# Altium PCB Hrafn.PcbDoc (part 2 of 5) (continued)
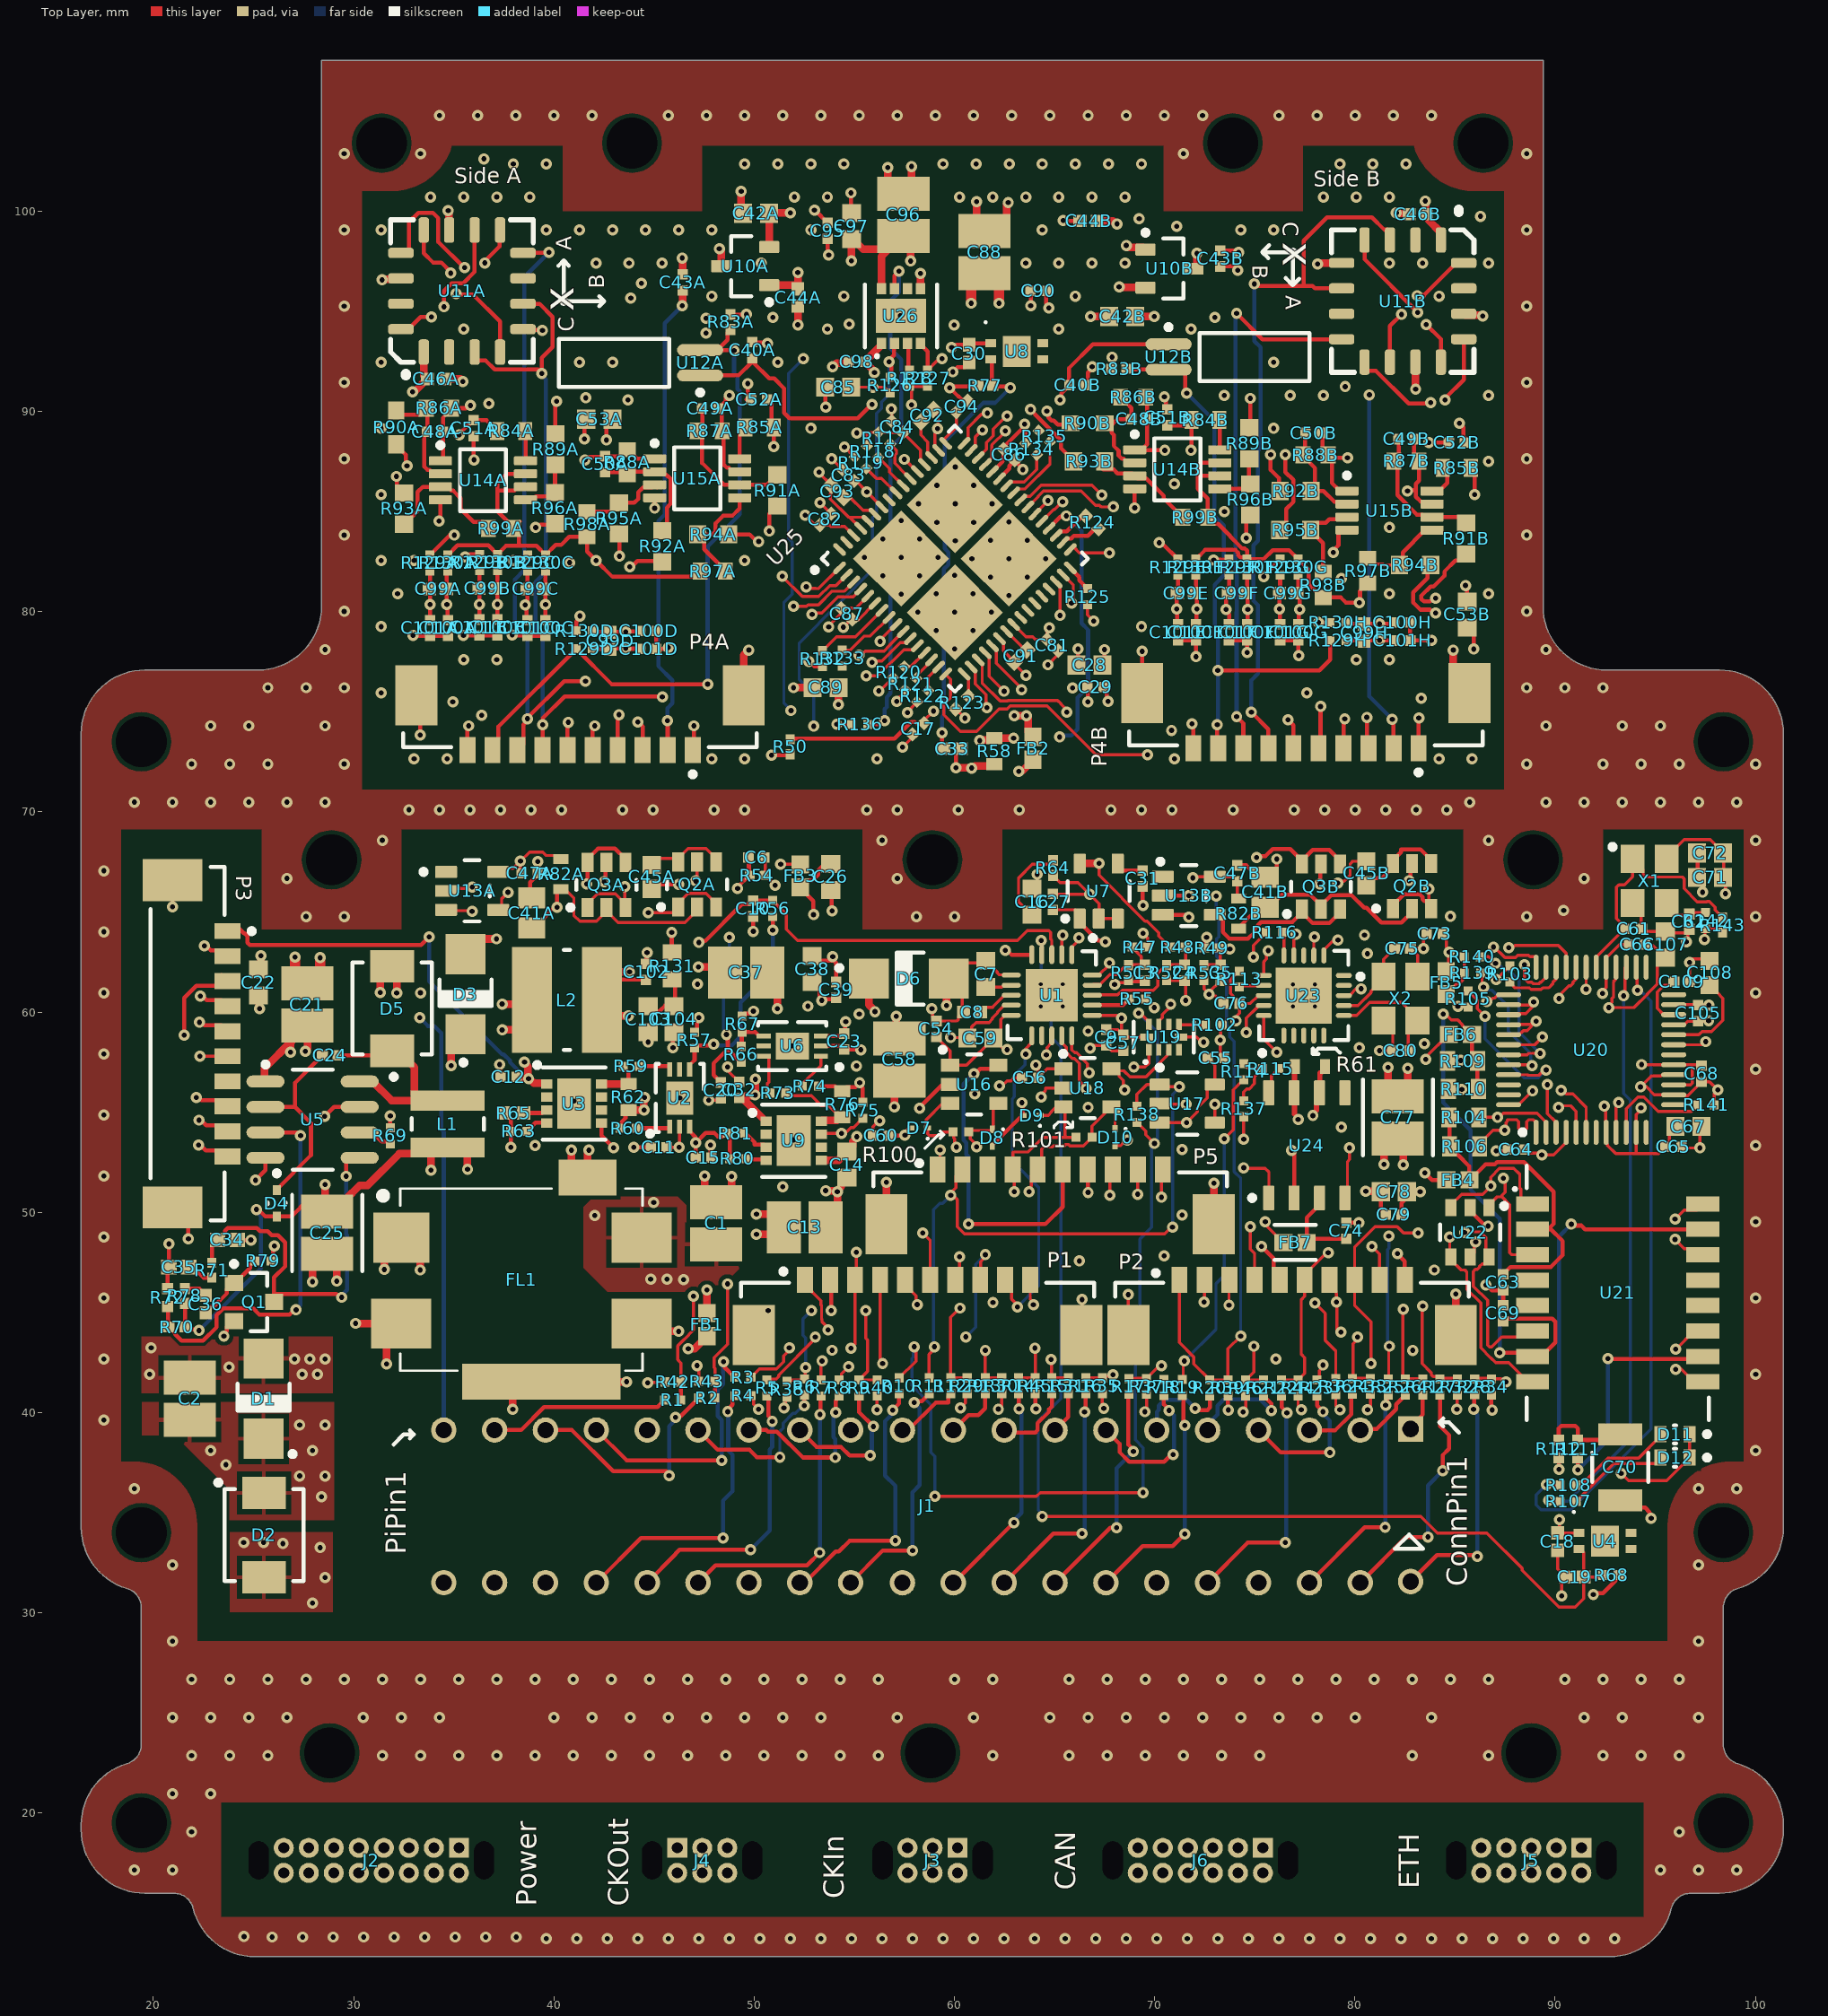
[diagram p0: Top Layer view]
## Part data (continued)
J4: "Gecko DIL Female Vertical 3mm PC Tail Connector, gold, pick & place (cut tape packing), 3+3 contacts", Current Rating=2A, Flammability Rating="UL94 V-0", Insulation Resistance=10GR, Manufacturer 1=Harwin, Manufacturer Part Number 1=G125-FV10605L0P, Max Operating Temperature=150°C, Min Operating Temperature=-65°C, Package Quantity=1, Supplier Part Number 1=952-2541-ND, Voltage Rating=450V, Category="Headers and Wire Housings", ComponentLink1Description=http://www.farnell.com/datasheets/1805453.pdf?src-supplier=Farnell, ComponentLink1URL=http://www.farnell.com/datasheets/1805453.pdf?src-supplier=Farnell, ComponentLink2Description=http://www.mouser.com/ds/2/181/C125XX_G125_Gecko_Connectors-1131202.pdf?src-supplier=Mouser, ComponentLink2URL=http://www.mouser.com/ds/2/181/C125XX_G125_Gecko_Connectors-1131202.pdf?src-supplier=Mouser, ComponentLink3Description=https://cdn.harwin.com/pdfs/G125-FVXXX05L0P.pdf?src-supplier=Digi-Key, ComponentLink3URL=https://cdn.harwin.com/pdfs/G125-FVXXX05L0P.pdf?src-supplier=Digi-Key, Connector Type=Receptacle,Socket, Contact Gender=Female, Contact Material="Copper Alloy", Contact Plating=Gold, Contact Post Length=3mm, Housing Material=Polyamide, Mount="Through Hole", Number of Positions=6, Number of Rows=2, Packaging=Bulk, Pitch=0.049inch, Pricing 1="1=6.94000, 10=6.64700, 100=5.49100, 500=4.62400, 1000=4.04600, 5000=3.75700 (USD)", RoHS=Yes, Row Spacing=0.049inch, Stock 1=4137, Supplier 1=Digi-Key, Termination=Solder, Weight=0.006843oz
J5: "Headers & Wire Housings 1.25MM M VERT 3.0MM 2x5 POS", Color=Green, Current Rating=2A, Flammability Rating="UL94 V-0", Insulation Resistance=10GR, Manufacturer 1=Harwin, Manufacturer Part Number 1=G125-MV11005L1P, Max Operating Temperature=150°C, Min Operating Temperature=-65°C, Package Quantity=1, Supplier Part Number 1=952-2809-ND, Voltage Rating=450V, Category="Headers and Wire Housings", ComponentLink1Description=http://www.mouser.com/ds/2/181/C125XX_G125_Gecko_Connectors-1131202.pdf?src-supplier=Mouser, ComponentLink1URL=http://www.mouser.com/ds/2/181/C125XX_G125_Gecko_Connectors-1131202.pdf?src-supplier=Mouser, ComponentLink2Description=https://cdn.harwin.com/pdfs/G125-MVXXX05LXP.pdf?src-supplier=Digi-Key, ComponentLink2URL=https://cdn.harwin.com/pdfs/G125-MVXXX05LXP.pdf?src-supplier=Digi-Key, Connector Type="Pin,Male Pin", Contact Material=Bronze, Contact Plating=Gold, Fastening Type=Latch, Housing Material=Polyamide, Mount="Through Hole", Number of Positions=10, Number of Rows=2, Packaging="Cut Strip", Pitch=0.049inch, Pricing 1="1=4.73000, 10=4.53800, 100=3.78200, 500=3.21470, 1000=2.74195, 5000=2.45830 (USD)", RoHS=Yes, Row Spacing=0.049inch, Stock 1=486, Supplier 1=Digi-Key, Termination=Solder, Weight=0.010864oz
L1: "Power Inductor, Aec-Q200, 2.2Uh, 5.2A Rohs Compliant: Yes", Case/Package=Nonstandard, Current Rating=5.2A, DC Resistance (DCR)=26mR, Inductance=2.2uH, Manufacturer 1="Wurth Electronics", Manufacturer Part Number 1=78438357022, Max Operating Temperature=125°C, Min Operating Temperature=-40°C, Ratings=AEC-Q200, Resistor Type=Wirewound, Saturation Current=7A, Self Resonant Frequency=35MHz, Supplier Part Number 1=732-11741-1-ND, Test Frequency=100kHz, Tolerance=20%, Category="Fixed Inductors", ComponentLink1Description=https://katalog.we-online.de/pbs/datasheet/78438357022.pdf?src-supplier=Digi-Key, ComponentLink1URL=https://katalog.we-online.de/pbs/datasheet/78438357022.pdf?src-supplier=Digi-Key, Core Material=Ferrite, Mount="Surface Mount", Packaging="Cut Tape", Pricing 1="1=1.81000, 10=1.77600, 50=1.69700, 100=1.56300 (USD)", RoHS=No, RoHS Compliant=No, Shielding=Shielded, Stock 1=4591, Supplier 1=Digi-Key
L2: library part CMP-0227-00320-1, "SMD Shielded Tiny Power Inductor WE-TPC, L = 0.47 µH", Inductance="0.47 µH", ComponentLink1Description="Manufacturer Link", ComponentLink1URL=http://www.we-online.com, ComponentLink2Description=Datasheet, ComponentLink2URL=http://www.we-online.de/katalog/media/pdf/74404300047.pdf, DatasheetVersion="ver 6, Aug-2010", PackageDescription="SMD Inductor, 2-Leads, Body 4.8 x 4.8 mm", PackageReference=WE-TPC-4828-MH, PackageVersion=2010
P1 P2 P3 P4A P4B P5: library part CMP-2000-05635-1, "Male Header, Pitch 1.25 mm, 1 x 10 Position, Height 4.7 mm, -40 to 85 degC, RoHS, Tape and Reel", Current Rating=1A, Manufacturer=Molex, Package Description="Male Header, Pitch 1.25 mm, 1 x 10 Position, Height 4.7 mm", Voltage Rating=125V, Brand=Molex, Contact Gender=Pin(Male), Contact Material=PhosphorBronze, Contact Plating=Tin, Datasheet URL=http://www.molex.com/pdm_docs/sd/533981071_sd.pdf, Datasheet Version="Rev. J, 09/2015", Factory Pack Quantity=1000, Housing Material=Nylon, Manufacturer URL=http://www.molex.com/, Mounting Angle=Vertical, Mounting Style=SMD, Mounting Technology=SurfaceMount, Number of Positions=10Position, Number of Rows=1Row, Package Reference=53398-1071, Packaging=Reel, Pitch=1.25mm, Product=Headers, Product Category=Headers&WireHousings, RoHS=Details, Series=53398, Termination Style=SMD, Tradename=PicoBlade, Type=Shrouded
Q1: library part CMP-1048-00592-1, "General Purpose Transistor, NPN Silicon, 3-Pin SOT-23, Pb-Free, Tape and Reel", Manufacturer="On Semiconductor", ComponentLink1Description="Manufacturer URL", ComponentLink1URL=http://www.onsemi.com/, ComponentLink2Description=Datasheet, ComponentLink2URL=http://www.onsemi.cn/pub_link/Collateral/MMBT2222LT1-D.PDF, ComponentLink3Description="Package Specification", ComponentLink3URL=http://www.onsemi.cn/pub_link/Collateral/318-08.PDF, DatasheetVersion="Rev. 10", fT Min (MHz)=300, IC Continuous (A)=0.6, Mounting Technology="Surface Mount", PackageDescription="3-Pin Small Outline Transistor, Body 2.92 x 1.3 mm, Pitch 0.95 mm", PackageReference=SOT-23-3-318-08, PackageVersion="Rev. AP, 11/2009", Packing="Tape and Reel", PartNumber=MMBT2222ALT3G, Polarity=NPN, RoHS=TRUE
Q2A Q2B Q3A Q3B: library part CMP-1058-00959-1, "Power MOSFET, Complementary, 30 V, +2.9 / -2.2 A, 6-Pin TSOP, Pb-Free, Tape and Reel", Manufacturer="On Semiconductor", Package Type=TSOP-6, Channel Polarity=Complementary, ComponentLink1Description="Manufacturer URL", ComponentLink1URL=http://www.onsemi.com/, ComponentLink2Description=Datasheet, ComponentLink2URL=http://www.onsemi.com/pub_link/Collateral/NTGD4167C-D.PDF, ComponentLink3Description="Package Specification", ComponentLink3URL=http://www.onsemi.com/pub_link/Collateral/318G-02.PDF, Configuration=Dual, DatasheetVersion="Rev. 1", Mounting Technology="Surface Mount", PackageDescription="6-Pin Small Outline Package, Body 3 x 1.5 mm, Pitch 0.95 mm", PackageReference=TSOP-6-318G-02, PackageVersion="Rev. V, 06/2012", Packing="Tape and Reel", PartNumber=NTGD4167CT1G, RoHS=Pb-Free, V(BR)DSS Min (V)=30, VGS Max (V)=12, VGS(th) Max (V)=1.5
R1 R2 R3 R4 R5 R6 R7 R8 R9 R10 R11 R12 R13 R14 R15 R16 R17 R18 R19 R20 R21 R22 R23 R24 R25 R26 R27 R28 R69 R102 R103 R105 R113 R116 R117 R118 R119 R120 R121 R122 R123 R124 R125 R139 R140: library part CMP-2002-08356-1, Manufacturer="Vishay Dale", Part Number=CRCW040220K0FKED, Resistance="220 Ω"
R29 R30 R31 R32 R33 R34 R35 R36 R37 R38 R39 R40 R41 R42 R43 R44 R45 R46 R55 R63 R79 R80 R115 R127: library part CMP-2002-00489-1, Manufacturer=Panasonic, Part Number=ERJ-2GEJ223X, Resistance=22kΩ
R47 R48 R49 R50: library part CMP-2002-07501-1, Manufacturer="Yageo / Phycomp", Resistance=20k, Part Number=RC0402FR-0720KL
R51 R52 R53 R54 R71: library part CMP-2002-03043-1, Manufacturer="Vishay Dale", Resistance=10k, Part Number=CRCW040210K0FKEDHP
R56 R57 R66 R67: library part CMP-2002-00966-3, "Chip Resistor, 4.99 KOhm, +/- 1%, 100 mW, -55 to 155 degC, 0402 (1005 Metric), RoHS, Tape and Reel", Case Code (Imperial)=0402, Case Code (Metric)=1005, Manufacturer="Basic Passives", Max Operating Temperature="155 degC", Min Operating Temperature="-55 degC", Package Quantity=10000, PartNumber=ERJ-2RKF4991X, Power Rating="100 mW", Resistance="4.99 KOhm", Tolerance=1%, Voltage Rating="50 V", Case\/Package=0402, ComponentLink1Description="Manufacturer URL", ComponentLink1URL=http://www.panasonic.com/, ComponentLink2Description=Datasheet, ComponentLink2URL=http://industrial.panasonic.com/cdbs/www-data/pdf/RDA0000/AOA0000C86.pdf, DatasheetVersion=04/2015, Height="0.35 mm", Length="1 mm", Mount="Surface Mount", Mounting Technology="Surface Mount", PackageDescription="2-Pin Surface Mount Device, Body 1 x 0.5 mm", PackageReference=0402, Packaging="Tape and Reel", Pins=2, Radiation Hardening=No, REACH SVHC=Unknown, RoHSCompliant=true, Weight=2.8E-05oz, Width="0.5 mm"
R58: library part CMP-2000-04856-1, =Resistance="0 Ω", Manufacturer=Yageo, Part Number=AC0603JR-070RL
R59 R60 R73 R74: library part CMP-2002-00605-3, "Chip Resistor, 100 Ohm, +/- 1%, 100 mW, -55 to 155 degC, 0402 (1005 Metric), RoHS, Tape and Reel", Case Code (Imperial)=0402, Case Code (Metric)=1005, Manufacturer="Basic Passives", Max Operating Temperature="155 degC", Min Operating Temperature="-55 degC", Package Quantity=10000, Power Rating="100 mW", Resistance="100 Ohm", Tolerance=1%, Voltage Rating="50 V", Case\/Package=0402, ComponentLink1Description="Manufacturer URL", ComponentLink1URL=http://www.panasonic.com/, ComponentLink2Description=Datasheet, ComponentLink2URL=http://industrial.panasonic.com/cdbs/www-data/pdf/RDA0000/AOA0000C86.pdf, DatasheetVersion=04/2015, Height="0.35 mm", Length="1 mm", Mount="Surface Mount", Mounting Technology="Surface Mount", PackageDescription="2-Pin Surface Mount Device, Body 1 x 0.5 mm", PackageReference=0402, Packaging="Tape and Reel", PartNumber=ERJ-2RKF1000X, Pins=2, Radiation Hardening=No, REACH SVHC=Yes, RoHSCompliant=true, Width="0.5 mm"
R61 R82A R82B: "ROHM - ESR03EZPJ121 - RES, AEC-Q200, THICK FILM, 120R, 5%, 0603 ROHS COMPLIANT: YES", Case Code (Imperial)=0603, Case Code (Metric)=1608, Manufacturer 1=Rohm, Manufacturer Part Number 1=ESR03EZPJ121, Max Operating Temperature=155°C, Max Power Dissipation=250mW, Min Operating Temperature=-55°C, Package Quantity=1, Resistance=120R, Resistor Type="Thick Film", Supplier Part Number 1=RHM120DCT-ND, Temperature Coefficient=200ppm/°C, Tolerance=5%, Case/Package=0603, Category="Chip SMD Resistors", ComponentLink1Description=https://datasheet.ciiva.com/2495/esr-2495284.pdf?src-supplier=Digi-Key, ComponentLink1URL=https://datasheet.ciiva.com/2495/esr-2495284.pdf?src-supplier=Digi-Key, ComponentLink2Description=https://datasheet.ciiva.com/2495/esr-2495285.pdf?src-supplier=Digi-Key, ComponentLink2URL=https://datasheet.ciiva.com/2495/esr-2495285.pdf?src-supplier=Digi-Key, ComponentLink3Description=https://datasheet.ciiva.com/2495/esr-2495286.pdf?src-supplier=Digi-Key, ComponentLink3URL=https://datasheet.ciiva.com/2495/esr-2495286.pdf?src-supplier=Digi-Key, Features="Automotive AEC-Q200", Height=0.022inch, Lead Free="Lead Free", Length=0.063inch, Number of Terminations=2, Packaging="Tape and Reel", Power Rating=250mW, Pricing 1="1=0.10000, 10=0.08200, 100=0.03160, 1000=0.01392, 2500=0.01202 (USD)", RoHS=Yes, RoHS Compliant=Yes, Series=ESR, Size Code=0603, Stock 1=21155, Supplier 1=Digi-Key, Width=0.031inch
R62 R76: library part CMP-2000-04331-1, Manufacturer=Yageo, Part Number=RL0603FR-070R02L
R64: library part CMP-2002-06398-1, Manufacturer=Yageo, Part Number=RL0402FR-070R5L
R65: library part CMP-2002-08429-2, "RES Thick Film, 274kΩ, 1%, 0.063W, 100ppm/°C, 0402", Case Code (Imperial)=0402, Case Code (Metric)=1005, Max Operating Temperature=155°C, Min Operating Temperature=-55°C, Package Quantity=10000, Power Rating=63mW, Resistance=274kR, Temperature Coefficient=100ppm/°C, Tolerance=1%, Voltage Rating=50V, Case/Package=0402, Composition="Thick Film", Contact Plating=Tin, Depth=0.5mm, Height=0.35mm, Lead Free="Lead Free", Length=1mm, Military Standard=Not, Mount="Surface Mount", Number of Pins=2, Packaging="Tape and Reel", Radiation Hardening=No, Termination=SMD/SMT, Voltage Rating (DC)=50V, Weight=2.3E-05oz, Width=0.5mm
R68 R77 R78 R83A R83B: library part CMP-2002-05790-1, Manufacturer=Panasonic, Part Number=ERA-2AEB202X, Resistance="2 kΩ 0.1%"
R70: library part CMP-2002-07467-1, Manufacturer=Yageo, Part Number=RC0402FR-071K74L, Resistance="1.74 kΩ"
R72: library part CMP-1011-00510-4, "Chip Resistor, 1 KOhm, +/- 1%, 100 mW, -55 to 155 degC, 0402 (1005 Metric), RoHS, Tape and Reel", Case Code (Imperial)=0402, Case Code (Metric)=1005, Manufacturer="Basic Passives", Max Operating Temperature="155 degC", Min Operating Temperature="-55 degC", Package Quantity=10000, PartNumber=ERJ-2RKF1001X, Power Rating="100 mW", Tolerance=1%, Voltage Rating="50 V", Case\/Package=0402, ComponentLink1Description="Manufacturer URL", ComponentLink1URL=http://www.panasonic.com/, ComponentLink2Description=Datasheet, ComponentLink2URL=http://industrial.panasonic.com/cdbs/www-data/pdf/RDA0000/AOA0000C86.pdf, DatasheetVersion=04/2015, Height="0.35 mm", Length="1 mm", Mount="Surface Mount", Mounting Technology="Surface Mount", PackageDescription="2-Pin Surface Mount Device, Body 1 x 0.5 mm", PackageReference=0402, Packaging="Tape and Reel", Pins=2, Radiation Hardening=No, REACH SVHC=Yes, Resistance="1 KOhm", RoHSCompliant=true, Width="0.5 mm"
R75 R126 R136: library part CMP-2002-08125-1, Manufacturer="Vishay Dale", Resistance=100k, Part Number=CRCW0402100KJNED
R81: library part CMP-1011-00812-2, Manufacturer=Panasonic, Resistance="470 kΩ", Part Number=ERJ2RKF4703X
R84A R84B R85A R85B: library part CMP-2100-03667-1, "Chip Resistor, 0 Ohm, +/- 5%, 0.1 W, -55 to 155 degC, 0603 (1608 Metric), RoHS, Tape and Reel", Case Code (Imperial)=0603, Case Code (Metric)=1608, Manufacturer=Yageo, Max Operating Temperature=155degC, Min Operating Temperature=-55degC, Package Description="2-Pin Surface Mount Device, Body 1.6 x 0.8 mm", Package Quantity=5000, Power Rating=100mW, Resistance=0mOhm, Temperature Coefficient=200ppm/degreesC, Tolerance=5%, Voltage Rating=50V, Case/Package=0603, Composition=ThickFilm, Contact Plating=Tin, Datasheet URL=http://www.yageo.com/NewPortal/yageodocoutput?fileName=/pdf/R-Chip/PYu-RC_Group_51_RoHS_L_5.pdf, Datasheet Version="Rev. 5, 10/2016", Depth=0.8mm, Height=0.45mm, Lead Free=LeadFree, Length=1.6mm, Manufacturer URL=http://www.yageo.com/, Military Standard=Not, Number of Pins=2, Package Reference=0603, Packaging=TapeandReel, Radiation Hardening=No, REACH SVHC=NoSVHC, RoHSCompliant=true, Termination=SMD/SMT, Voltage Rating (DC)=50V, Width=0.8mm
R86A R86B R87A R87B R88A R88B R97A R97B R98A R98B R99A R99B: library part CMP-2000-03736-1, Manufacturer="Vishay Dale", Part Number=TNPW0603249KBEEA, Resistance=249KΩ
R89A R89B R90A R90B R91A R91B R92A R92B R93A R93B R94A R94B R95A R95B R96A R96B: library part CMP-03412-033519-1, "RES SMD 4.99K OHM 0.1% 1/10W", Manufacturer=Yageo, Manufacturer Part Number=RT0603BRE074K99L, Package=RT0603, Power Rating=0.1W, Temperature="-55°C to +155°C", Temperature Coefficient="50 ppm/°C", Temperature Range High=+155°C, Temperature Range Low=-55°C, Tolerance=0.001, Voltage Rating=75V, Automotive=No, Category=Res, ComponentLink2Description=Datasheet, ComponentLink2URL=http://www.yageo.com/documents/recent/PYu-RT_1-to-0.01_RoHS_L_9.pdf, Composition="Thin Film", Device Class L1="Passive Components", Device Class L2=Resistors, Device Class L3="Chip SMD Resistors", Digikey Description="RES SMD 4.99K OHM 0.1% 1/10W", Footprint Url=http://www.yageo.com/exep/pages/download/literatures/PYu-R_Mount_10.pdf, Height=0.55mm, Ipc Land Pattern Name=RESC16080X45, Lead Free=Yes, Mouser Description="Res Thin Film 0603 4.99K Ohm 0.1% 1/10W ±50ppm/°C Molded SMD Paper T/R", Octopart=https://octopart.com/rt0603bre074k99l-yageo-1445653, Resistance=4.99KΩ, RoHS=TRUE, Series=RT
R100 R101: library part CMP-2002-00605-3, "Chip Resistor, 100 Ohm, +/- 1%, 100 mW, -55 to 155 degC, 0402 (1005 Metric), RoHS, Tape and Reel", Case Code (Imperial)=0402, Case Code (Metric)=1005, Manufacturer="Basic Passives", Max Operating Temperature="155 degC", Min Operating Temperature="-55 degC", Package Quantity=10000, PartNumber=ERJ-2RKF1000X, Power Rating="100 mW", Tolerance=1%, Voltage Rating="50 V", Case\/Package=0402, ComponentLink1Description="Manufacturer URL", ComponentLink1URL=http://www.panasonic.com/, ComponentLink2Description=Datasheet, ComponentLink2URL=http://industrial.panasonic.com/cdbs/www-data/pdf/RDA0000/AOA0000C86.pdf, DatasheetVersion=04/2015, Height="0.35 mm", Length="1 mm", Mount="Surface Mount", Mounting Technology="Surface Mount", PackageDescription="2-Pin Surface Mount Device, Body 1 x 0.5 mm", PackageReference=0402, Packaging="Tape and Reel", Pins=2, Radiation Hardening=No, REACH SVHC=Yes, Resistance="100 Ohm", RoHSCompliant=true, Width="0.5 mm"
R104 R106 R109 R110: library part CMP-2000-03436-2, "RES Thick Film, 50Ω, 1%, 0.1W, 100ppm/°C, 0603", Case Code (Imperial)=0603, Case Code (Metric)=1608, Max Operating Temperature=155°C, Min Operating Temperature=-55°C, Package Quantity=5000, Power Rating=100mW, Resistance=50R, Temperature Coefficient=100ppm/°C, Tolerance=1%, Voltage Rating=75V, Case/Package=0603, Composition="Thick Film", Contact Plating=Tin, Depth=0.85mm, Height=0.45mm, Lead Free="Lead Free", Length=1.55mm, Military Standard=Not, Mount="Surface Mount", Number of Pins=2, Packaging="Tape and Reel", Radiation Hardening=No, REACH SVHC="No SVHC", Termination=SMD/SMT, Voltage Rating (DC)=75V, Weight=7.1E-05oz, Width=0.85mm
R107 R108: library part CMP-2002-00432-1, Manufacturer=Panasonic, Resistance=1k, Part Number=ERJ-2GEJ102X
R111 R112: library part CMP-2002-01061-1, Manufacturer=Panasonic, Part Number=ERJ-2RKF75R0X, Resistance="75 Ω"
R114 R132 R133 R134 R135 R137 R138 R142: library part CMP-2000-07451-1, "Chip Resistor, 0 Ohm, 0.1 W, -55 to 155 degC, 0402 (1005 Metric), RoHS, Tape and Reel", Case Code (Imperial)=0402, Case Code (Metric)=1005, Manufacturer=Panasonic, Max Operating Temperature=155degC, Max Power Dissipation=100mW, Min Operating Temperature=-55degC, Package Description="2-Pin Surface Mount Device, Body 1 x 0.5 mm", Package Quantity=1, Package Reference=402, Resistance="0 Ω", Temperature Coefficient=600ppm/��C, Tolerance=5%, Voltage Rating=50V, Case/Package=0402, Composition=ThickFilm, Contact Plating=Tin, Datasheet URL=https://industrial.panasonic.com/cdbs/www-data/pdf/RDA0000/AOA0000C301.pdf, Datasheet Version=03/2015, Depth=0.5mm, Height=0.35mm, Lead Free=LeadFree, Length=1mm, Manufacturer URL=http://www.panasonic.com/, Military Standard=Not, Mount=SurfaceMount, Mounting Technology=SurfaceMount, Number of Terminations=2, Packaging=TapeandReel, Power Rating=100mW, Radiation Hardening=No, REACH SVHC=NoSVHC, RoHSCompliant=True, Termination=SMD/SMT, Voltage Rating (DC)=50V, Width=0.02inch
R128: library part CMP-2002-01162-1, Manufacturer=Panasonic, Resistance="560 kΩ", Part Number=ERJ2RKF5603X
R129A R129B R129C R129D R129E R129F R129G R129H R130A R130B R130C R130D R130E R130F R130G R130H: library part CMP-2002-08581-1, Manufacturer="Vishay Dale", Resistance=3.3k, Part Number=CRCW04023K30JNED
R131: library part CMP-2000-00853-1, Manufacturer=Panasonic, Part Number=ERJ-3RQFR22V, Resistance="0.22 Ω"
R141: library part CMP-2002-00649-1, Manufacturer=Panasonic, Resistance="12.1 kΩ", Part Number=ERJ-2RKF1212X
R143: library part CMP-2002-01800-1, Manufacturer=Yageo, Resistance="1 MOhm", Part Number=AC0402FR-071ML
U1: library part CMP-0313-00349-2, "8 Channel 12-Bit SAR Analog-to-Digital Converter with SPI Interface and Temperature Sensor 1MSPS, -40 to +125 degC, CP-20-8, Pb-Free, Tray", Generic Part Number=AD7298, Manufacturer="Analog Devices", Channels=9, Code_JEDEC=MO-220-WGGD, ComponentLink1Description="Manufacturer URL", ComponentLink1URL=http://www.analog.com/en/index.html, ComponentLink2Description=Datasheet, ComponentLink2URL=http://www.analog.com/static/imported-files/data_sheets/AD7298.pdf, ComponentLink3Description="Package Specification", ComponentLink3URL=http://www.analog.com/static/imported-files/packages/PKG_PDF/LFCSP(CP)/CP-20/CP_20_8.pdf, ComponentLink4Description="Product URL", ComponentLink4URL=http://www.analog.com/en/analog-to-digital-converters/ad-converters/ad7298/products/product.html, DatasheetVersion=Rev.B, Interface=SPI, Mounting Technology="Surface Mount", PackageDescription="20-Lead Lead Frame Chip Scale Package [LFCSP_WQ] 4 x 4 mm Body, Very Very Thin Quad", PackageReference=CP-20-8, PackageVersion=020509-B, Packing=Tray, PartNumber=AD7298BCPZ, Resolution (Bits)=12, RoHS=Y, Throughput Rate (SPS)=1M
U3 U9 U26: library part CMP-07123-000004-1, "IC LOAD SWITCH 0.4-2A OCP 8MLP", Ambient Temperature Range High=+85°C, Ambient Temperature Range Low=-40°C, Manufacturer="ON Semiconductor", Max Junction Temp=+125°C, Max Power Dissipation=1.25W, Max Supply Voltage=36V, Min Supply Voltage=2.8V, Nominal Supply Current=92uA, Output Current=0.4-2A, Package=511DD, Temperature="-40°C to +125°C", Automotive=No, Category=IC, ComponentLink2Description=Datasheet, ComponentLink2URL=https://www.onsemi.com/pub/Collateral/FPF2702-D.pdf, Device Class L1="Integrated Circuits (ICs)", Device Class L2="Power Management ICs", Device Class L3="Gate Drivers", Digikey Description="IC LOAD SWITCH 0.4-2A OCP 8MLP", Fall Time=1.5ms, Footprint Url=https://www.onsemi.com/pub/Collateral/511DD.PDF, Height=0.8mm, Ipc Land Pattern Name=DFN300X300X80-8, Lead Free=Yes, Manufacturer Part Number=FPF2701MPX, Mouser Description="Power Switch ICs - Power Distribution AccuPower Advanced Load Mngmnt Products", Number Of Outputs=1, Octopart=https://octopart.com/fpf2701mpx-on+semiconductor-84327806, Rise Time=7.5ms, RoHS=TRUE, Standoff Height=0mm, Temperature Range High=+125°C, Temperature Range Low=-40°C, Turn Off Delay Time=0.1ms, Turn On Delay Time=2.7ms